# Altium PCB cheriot-test.PcbDoc (part 10 of 10)
Units mil, origin at the board's own origin, x right, y up, seen from the top; angles counter-clockwise.
Board outline 4921.26 x 3149.61 mil, 8 copper layers (Top Layer, Int1 (Sign), Int2 (GND), Int3 (Sign), Int4 (Sign), Int5 (PWR), Int6 (Sign), Bottom Layer), stack 60.424 mil thick; 468 components, 516 nets, 2293 pads, 1328 vias.
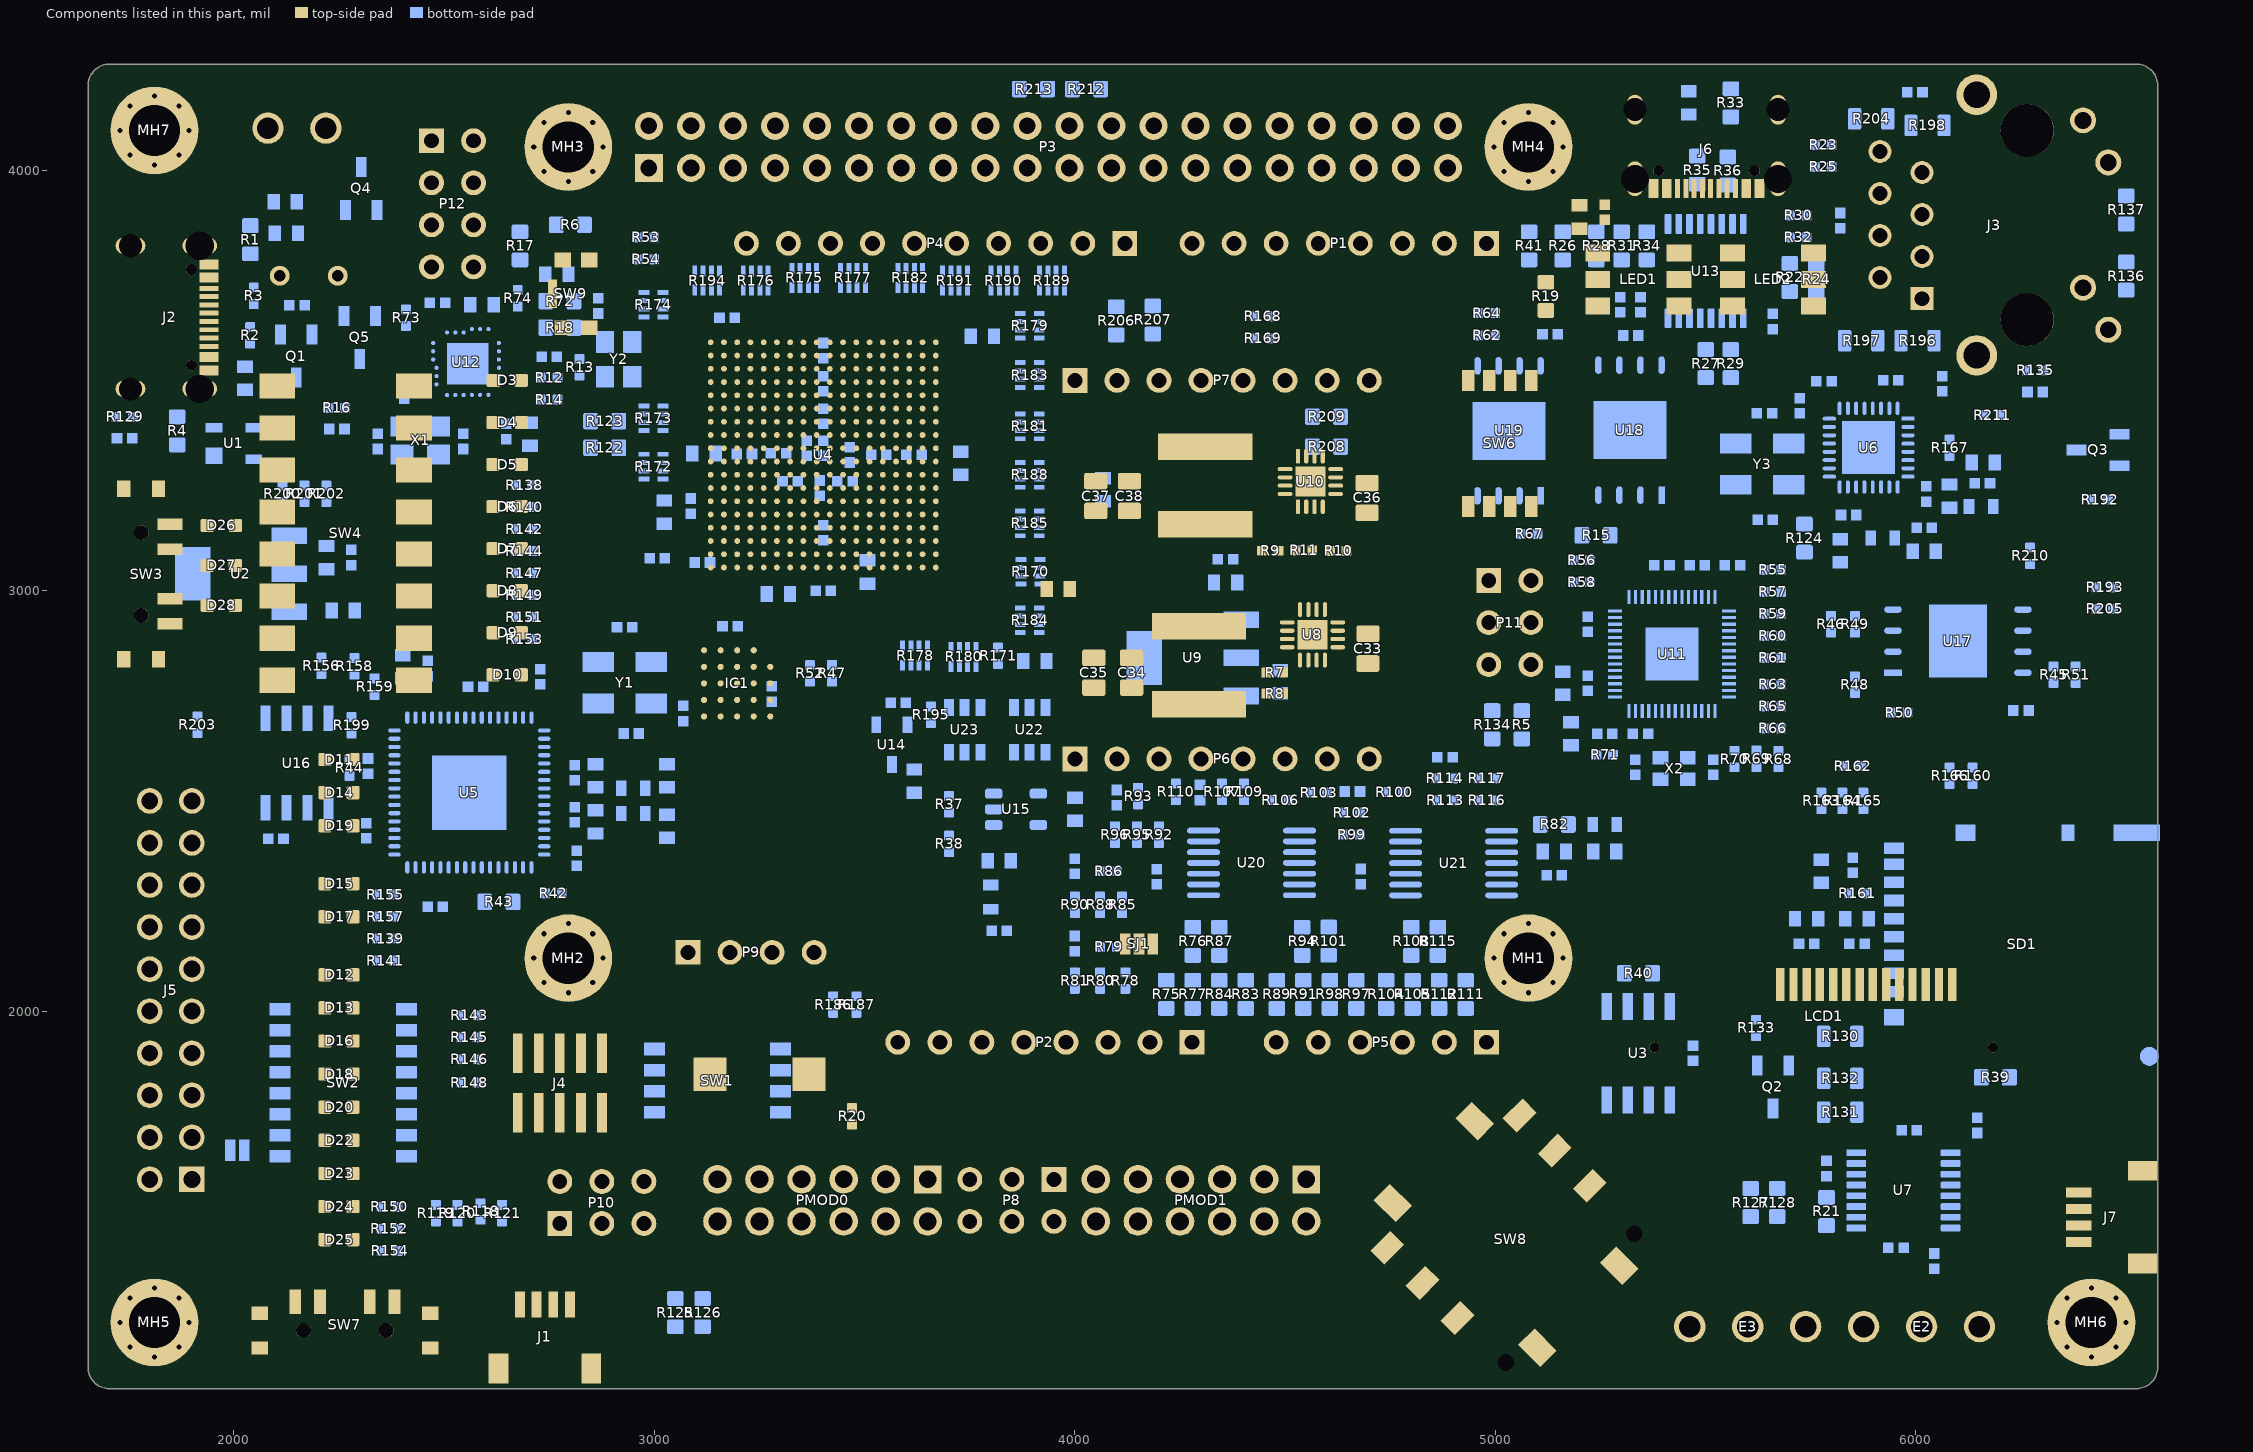
[diagram p16: the components of this part, seen from the top]

## Silkscreen, mask and mechanical layers (free items; w line width, h text height)
Top Overlay:
  drawing of 131 lines, arcs and shapes, not listed
  text "User" at 5149.61,4189.68 h80
  text "5V" at 3002.01,4176.8 h32 r90
  text "5V" at 3102.01,4176.8 h32 r90
  text "G" at 3602.01,4173.79 h32 r90
  text "G" at 3902.01,4173.79 h32 r90
  text "G" at 4602.01,4173.79 h32 r90
  text "G" at 4407.32,4171.42 h32 r90
  text "G" at 3200,4168.67 h32 r90
  text "8" at 3277.72,4167.48 h32
  text "10" at 3368.27,4167.48 h32
  text "12" at 3466.69,4167.48 h32
  text "16" at 3663.54,4167.48 h32
  text "18" at 3761.97,4167.48 h32
  text "22" at 3963.54,4167.48 h32
  text "24" at 4063.54,4167.48 h32
  text "26" at 4163.54,4167.48 h32
  text "28" at 4263.54,4167.48 h32
  text "32" at 4463.54,4167.48 h32
  text "36" at 4663.54,4167.48 h32
  text "38" at 4763.54,4167.48 h32
  text "USB" at 5153.54,4134.56 h80
  text "TXC" at 2324.52,4058.94 h59.06
  text "R0" at 2625.98,4057.64 h59.06
  text "TX0" at 2624.03,3958.88 h59.06
  text "RXC" at 2325.82,3958.23 h59.06
  text "D0" at 4967.84,3948.99 h32 r270
  text "G" at 4214.41,3917.49 h32 r90
  text "21" at 3960.39,3911.57 h32
  text "23" at 4049.37,3911.57 h32
  text "27" at 4260.39,3911.57 h32
  text "29" at 4360.39,3911.57 h32
  text "31" at 4460.39,3911.57 h32
  text "33" at 4560.39,3911.57 h32
  text "35" at 4660.39,3911.57 h32
  text "37" at 4760.39,3911.57 h32
  text "GND" at 1990,3910.7 h80
  text "+5V" at 2170,3910.7 h80
  text "3" at 3072.99,3907.64 h32
  text "5" at 3172.99,3907.64 h32
  text "7" at 3272.99,3907.64 h32
  text "G" at 3376.14,3907.64 h32
  text "11" at 3466.69,3907.64 h32
  text "13" at 3561.18,3907.64 h32
  text "15" at 3661.18,3907.64 h32
  text "3v3" at 3742.28,3907.64 h32
  text "19" at 3860.39,3907.64 h32
  text "Main USB" at 1680,3860.7 h80
  text "TXD" at 2323.87,3857.01 h59.06
  text "RX1" at 2630,3850 h59.06
  text "3.3V" at 3002.01,3825.12 h32 r90
  text "SCL0" at 3195.04,3761.15 h32 r270
  text "SDA0" at 3305.28,3761.15 h32 r270
  text "RXD" at 2328.41,3754.36 h59.06
  text "TX1" at 2624.68,3753.71 h59.06
  text "D8" at 4100.55,3752.29 h32 r270
  text "D11" at 3802.04,3750.94 h32 r270
  text "D10" at 3903.7,3751.39 h32 r270
  text "D0" at 4966.1,3750.76 h32 r270
  text "D1" at 4864.33,3749.5 h32 r270
  text "D9" at 4002.07,3749.06 h32 r270
  text "D13" at 3597.57,3747.55 h32 r270
  text "D7" at 4258.03,3748.36 h32 r270
  text "D6" at 4364.33,3748.36 h32 r270
  text "D5" at 4462.76,3748.36 h32 r270
  text "D4" at 4561.18,3748.36 h32 r270
  text "D3" at 4663.54,3748.36 h32 r270
  text "D2" at 4765.91,3748.36 h32 r270
  text "D12" at 3702.91,3747.45 h32 r270
  text "GND" at 3497.53,3746.47 h32 r270
  text "USB" at 2370,3670.7 h80
  text "Ibex" at 2550,3670.67 h80
  text "TURBO" at 4669.29,3626.69 h80
  text "UART" at 2430,3620.7 h80
  text "RX" at 4215.98,3600.55 h32 r90
  text "TX" at 4315.98,3600.55 h32 r90
  text "SCL" at 4415.98,3600.55 h32 r90
  text "SDA" at 4517.56,3600.55 h32 r90
  text "RP2040 Boot" at 2920.73,3555.12 h60 r90
  text "0" at 2439.17,3542.01 h80
  text "1" at 2033.62,3541.5 h80
  text "ULED0" at 2722.21,3480.88 h65
  text "US0" at 2481.31,3469.07 h65
  text "5V" at 4620.29,3383.37 h32 r90
  text "ULED1" at 2724.41,3382.46 h65
  text "US1" at 2481.31,3366.71 h65
  text "GND" at 4717.01,3355.12 h32 r90
  text "PWM" at 4013.62,3340.71 h32 r90
  text "INT" at 4113.62,3340.71 h32 r90
  text "ULED2" at 2722.29,3280.1 h65
  text "Bitstream" at 1708.66,3276.26 h80
  text "US2" at 2481.31,3268.29 h65
  text "ULED3" at 2722.17,3181.67 h65
  text "US3" at 2481.31,3165.92 h65
  text "ULED4" at 2721.28,3083.25 h65
  text "1" at 1660,3080 h70
  text "US4" at 2481.31,3067.5 h65
  text "2" at 1660,3020 h70
  text "3.3V" at 5182.91,3011.89 h32 r90
  text "CIPO" at 4807.17,3007.64 h32
  text "ULED5" at 2722.09,2980.88 h65
  text "US5" at 2480.31,2969.07 h65
  text "3" at 1660,2960.62 h70
  text "I/O is 3.3V ONLY" at 2975.67,2927.47 h80 r90
  text "SCK" at 4833.83,2907.64 h32
  text "ULED6" at 2721.92,2882.46 h65
  text "US6" at 2481.31,2870.65 h65
  text "COPI" at 5182.91,2859.75 h32 r90
  text "IO" at 4871.15,2807.64 h32
  text "l" at 3000,2799.21 h100 r90
  text "ULED7" at 2722.25,2780.1 h65
  text "US7" at 2481.31,2768.29 h65
  text "GND" at 5182.91,2739.34 h32 r90
  text "Ibex JTAG" at 1690,2720.7 h80
  text "A0" at 4018.51,2662.83 h32 r90
  text "RS" at 4118.51,2662.83 h32 r90
  text "GND" at 4715.36,2662.83 h32 r90
  text "3.3V" at 4618.03,2659.93 h32 r90
  text "SYSTEM:" at 2050,2635.66 h74.8
  text "FPGA Config" at 2340,2580.43 h70
  text "Ibex Boot" at 2335,2505.58 h70
  text "COPI" at 4954.88,2470.63 h32
  text "Halted" at 2335,2425.58 h70
  text "CIPO" at 4954.88,2411.57 h32
  text "SCK" at 4954.26,2351.89 h32
  text "MODE:" at 2050,2345.66 h74.8
  text "CS" at 4954.26,2292.83 h32
  text "CHERI" at 2335,2285.62 h70
  text "lowrisc.org" at 4393.7,2238.59 h68.9
  text "LEGACY" at 2335,2210.62 h70
  text "3V3" at 4072.06,2208.7 h50
  text "5V" at 4171.41,2208 h50
  text "3.3V" at 3017.87,2198.98 h30
  text "SWD" at 3143.86,2198.98 h30
  text "SWC" at 3246.22,2198.98 h30
  text "GND" at 3352.52,2198.98 h30
  text "Capability Exceptions" at 2055,2136.14 h74.8
  text "0-5V Analog" at 4460.63,2099.96 h70.87
  text "Bounds" at 2337.66,2074.86 h70
  text "RP2040 Debug" at 3062.99,2052.1 h59.06
  text "low-Z > 3.3V In" at 4464.57,2040.16 h70.87
  text "3.3V" at 3697.01,1995.12 h32 r90
  text "RST" at 3797.01,1995.12 h32 r90
  text "3.3V" at 3897.01,1995.12 h32 r90
  text "3.3/5" at 3997.01,1995.12 h32 r90
  text "GND" at 4097.01,1995.12 h32 r90
  text "GND" at 4197.01,1995.12 h32 r90
  text "5V/VIN" at 4297.01,1995.12 h32 r90
  text "Tag" at 2337.55,1992.35 h70
  text "A0 A1 A2 A3 A4 A5" at 4467.01,1990.12 h32
  text "Seal" at 2336.02,1913.51 h70
  text "PExecute" at 2338.32,1836.01 h70
  text "A2 A3 A4 A5" at 4663.54,1828.9 h32
  text "Reset" at 3070.11,1779.53 h70.87 r90
  text "Sonata Board" at 3544.84,1756.57 h196.85
  text "PLoad" at 2338.32,1754.71 h70
  text "LCD" at 5781.65,1722.6 h60
  text "Ibex JTAG" at 2632.68,1715.56 h59.06 r90
  text "sunburst-project.org" at 3676.84,1688.49 h98.43
  text "PStore" at 2335.25,1674.98 h70
  text "3.3V" at 3080.87,1651.73 h30
  text "GND" at 3218.66,1651.73 h30
  text "FPGA JTAG" at 2740,1650.52 h59.06
  text "PStoreCap" at 2329.89,1595.18 h70
  text "sunburst-project.org" at 5470.47,1591.42 h98.43
  text "PStoreLCap" at 2329.12,1514.65 h70
  text "RS232" at 5917.32,1453.58 h70.87
  text "RS485" at 5500,1449.64 h70.87
  text "PAccSysReg" at 2329.12,1438.6 h70
  text "qwiic1" at 6338.7,1419.76 h70.87 r90
  text "Rx(I)" at 5948.82,1400.87 h59.06
  text "Tx(O)" at 6070.87,1400.87 h59.06
  text "G" at 5858.27,1398.29 h59.06
  text "G" at 5440,1390.66 h59.06
  text "A(-)" at 5560,1391.11 h59.06
  text "B(+)" at 5700,1391.11 h59.06
  text "SW App" at 2175,1349.78 h70
  text "qwiic0" at 2673.65,1350.08 h70.87
  text "PMOD" at 3960,1150 h60 r90
  text "PMOD" at 3064.8,1124.17 h60 r90
  text "1" at 2220,1120 h70 r90
  text "2" at 2280,1120 h70 r90
  text "3" at 2339.38,1120 h70 r90
Bottom Overlay:
  drawing of 198 lines, arcs and shapes, not listed
  text "C" at 4531.5,3114.17 h450
  text "p" at 3492.13,2173.23 h450
  text "GND" at 4200.2,1631.83 h30
  text "3V3" at 4101.49,1631.38 h30
  text "GND" at 3294.68,1627.89 h30
  text "3V3" at 3195.97,1627.44 h30
  text "This board is open source!" at 1678.27,1421.45 h50 r270
  text "W" at 5555.12,1322.83 h450
  text "The Sunburst project was funded by" at 5259.84,1283.46 h32
  text "NewAE Technology Inc." at 2889.57,1281.23 h40
  text "Digital Security by Design (DSbD) and UKRI [grant number 107540]. For up to date information and support please visit sunburst-project.org" at 5259.84,1233.98 h32
  text "lowRISC would like to thank Cambridge University / SRI for their work on CHERI and Microsoft for their work on CHERIoT." at 5259.84,1173.23 h32
  text "PCB REV:" at 2877.76,1157.67 h50
  text ".PrjRev" at 2472.25,1153.73 h50
Mechanical 1:
  lines w12.01: 1653.54,1152.36 ccw(c1703.54,1152.36) 1703.54,1102.36 6524.8,1102.36 ccw(c6524.8,1152.36) 6574.8,1152.36 6574.8,4201.97 ccw(c6524.8,4201.97) 6524.8,4251.97 1703.54,4251.97 ccw(c1703.54,4201.97) 1653.54,4201.97 1653.54,2598.43 1653.54,1152.36

## Text inside footprints (layer, text, board x,y; h text height)
J5: Top Overlay "1" at 1939.99,1490.01 h50 r90; Top Overlay "20" at 1834.99,2550.01 h50 r90; Top Overlay "19" at 1949.99,2550.01 h50 r90; Top Overlay "2" at 1839.99,1475.01 h50 r90
P3: Top Overlay "1" at 2915.3,3939.58 h32; Top Overlay "2" at 2903.32,4148.05 h32; Top Overlay "40" at 4862.2,4165.35 h32; Top Overlay "G" at 4909.45,3921.26 h32 r90
P8: Top Overlay "6" at 3670,1520 h50 r180; Top Overlay "3" at 3670,1620 h50 r180; Top Overlay "1" at 4030,1620 h50 r180; Top Overlay "4" at 4050,1520 h50 r180
P10: Top Overlay "1" at 2695,1475 h50; Top Overlay "2" at 2675,1575 h50; Top Overlay "5" at 3035,1475 h50; Top Overlay "6" at 3035,1575 h50
P11: Top Overlay "1" at 4964.25,3104.02 h50 r270; Top Overlay "2" at 5064.25,3124.02 h50 r270; Top Overlay "5" at 4964.25,2764.02 h50 r270; Top Overlay "6" at 5064.25,2764.02 h50 r270
P12: Top Overlay "2" at 2550,4170 h50 r270; Top Overlay "1" at 2450,4150 h50 r270